# Altium PCB NUCLEOG431RB-Custom-IN-A2212.PcbDoc (part 3 of 5) (continued)
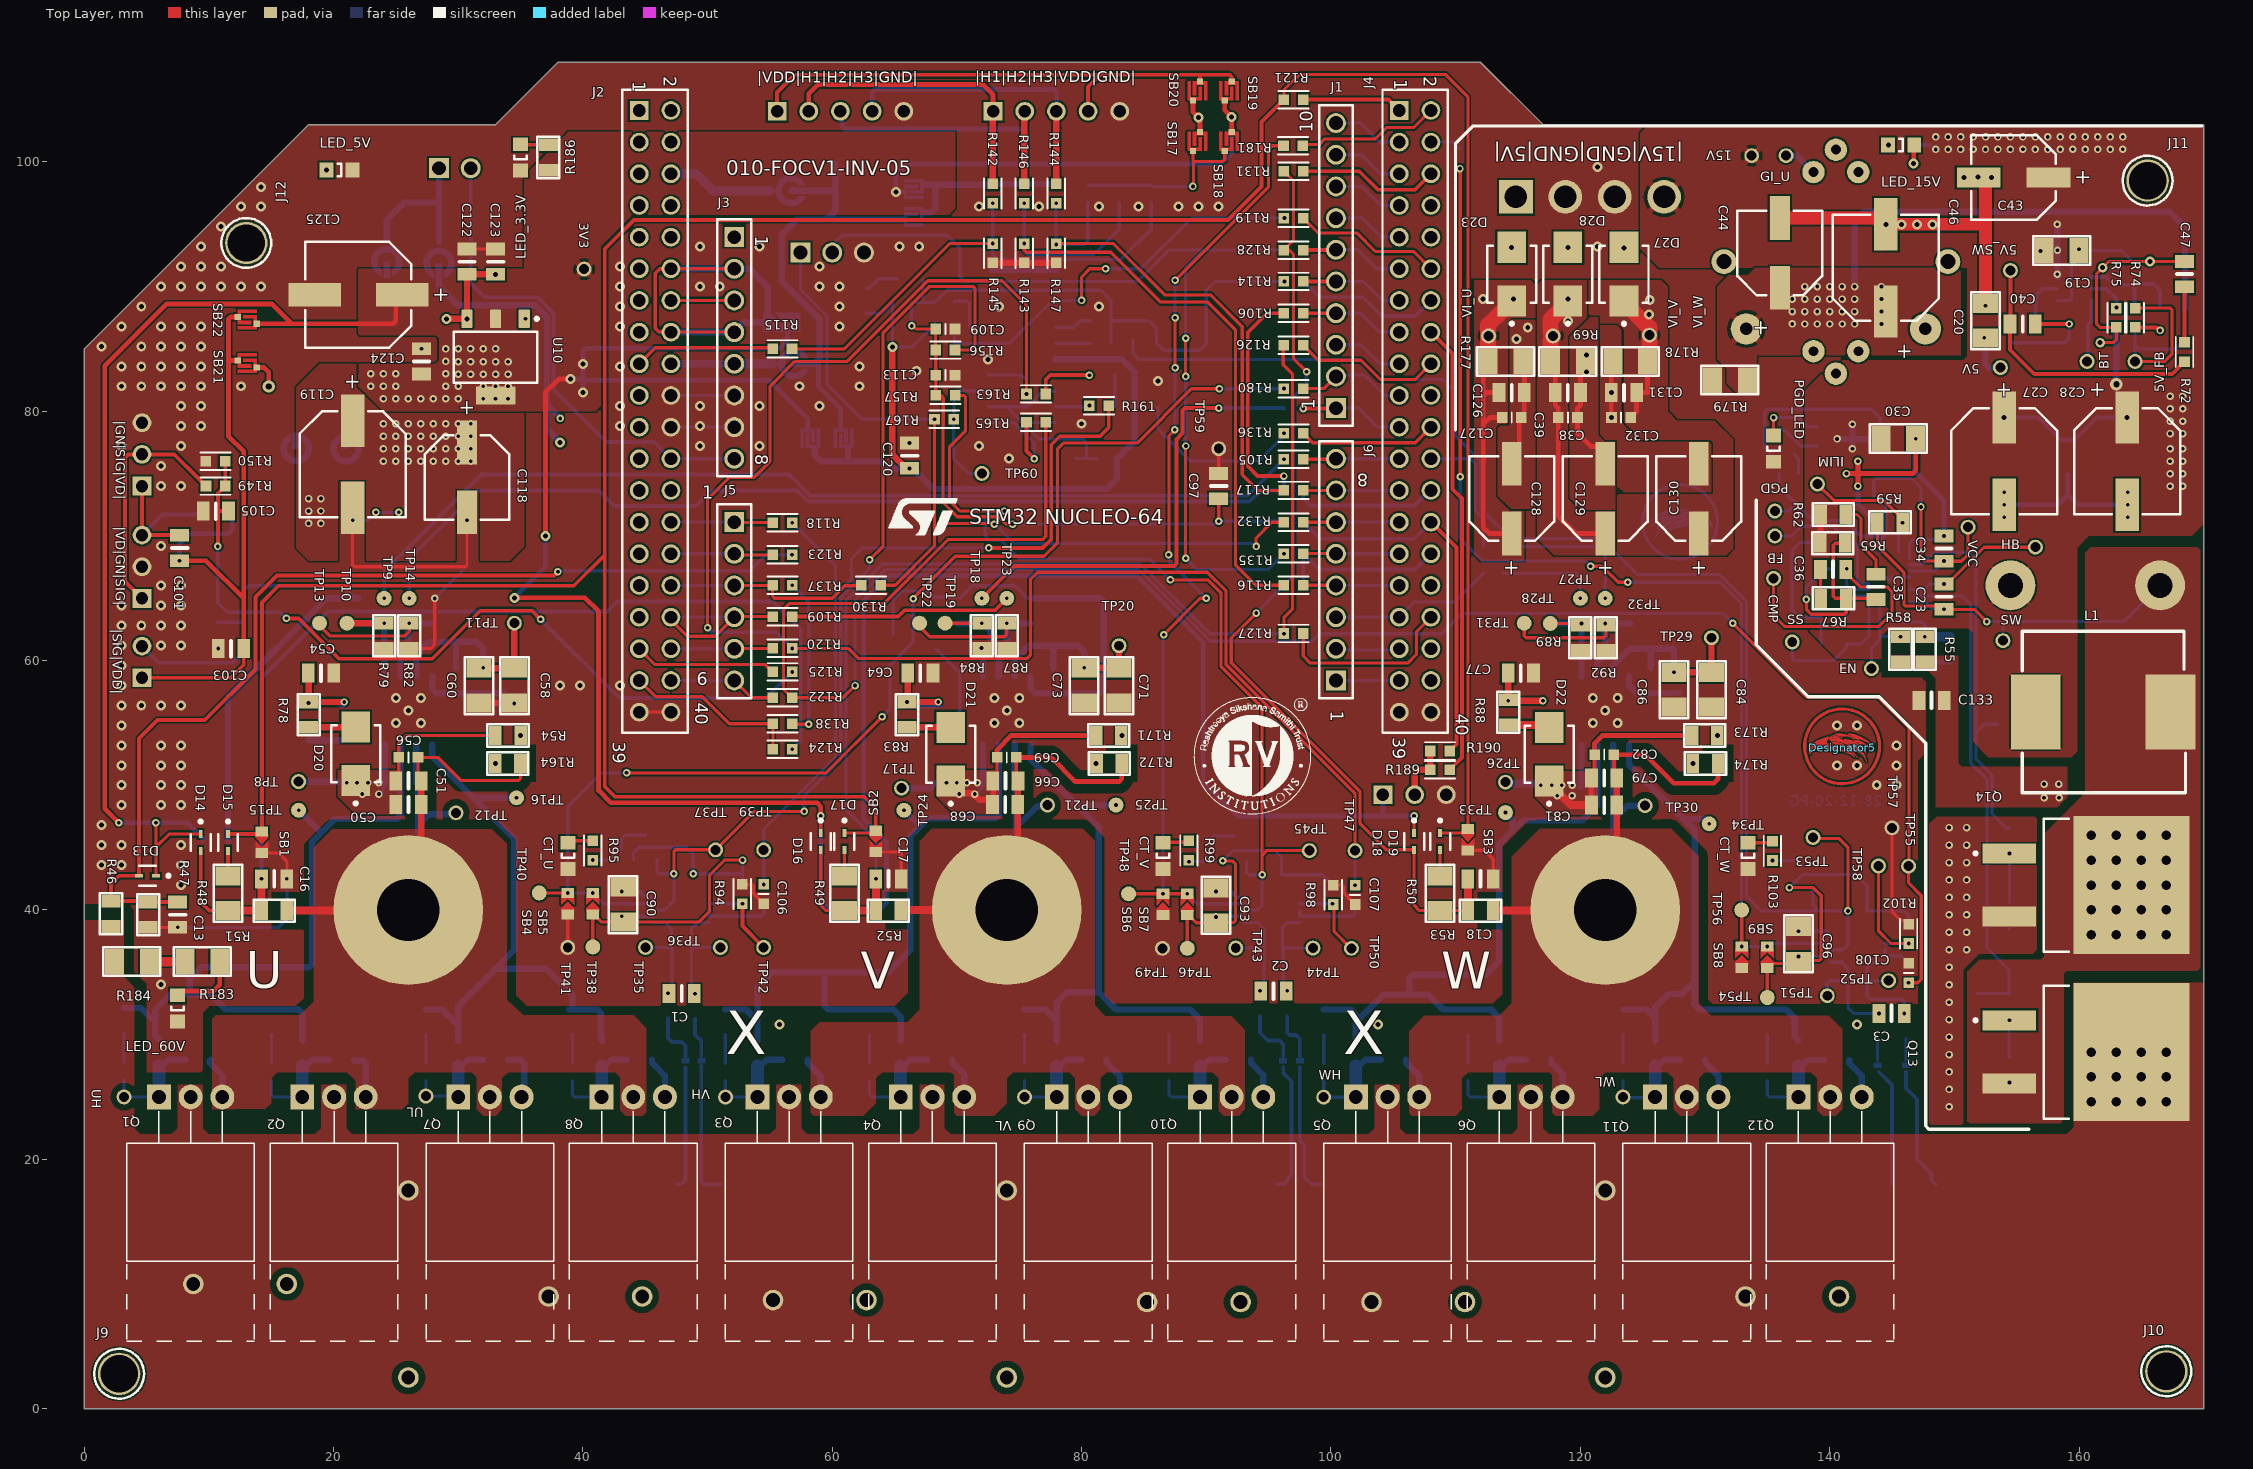
[diagram p0: Top Layer view]
## Nets (pads, with @x,y where several pads share a name; then routed paths per layer and width w, separated by ;. In a path a pad name is that pad's centre, name@x,y a point inside that pad or via, vN(x,y) a via of type N, cw(c..) or ccw(c..) an arc to the next point about the centre after c; other vN are vias at no path point) (continued)
  Top Layer w0.305: v1(72,65) 74.599,67.599 87.426,67.599 87.605,67.777 87.605,77.749 88.105,78.249 88.105,80.075 88.283,80.254 v1(91,80.254)
  Bottom Layer w0.305: v1(91,80.254) 96.19,80.254 R108.2@96.225,80.219
G_V_LO: R21.1 R22.1 R27.1 R28.1 TP25.1 U3.5 | length 45.8
  Bottom Layer w0.508: R21.1@75.412,32.016 77.084,32.016 78,31.1 ; U3.5@75.905,53.275 75.905,52.095 79.588,48.412 ; R27.1@78,29.524 78,31.1 ; v1(82.759,48.412) 79.588,48.412 ; R28.1@89.5,29.524 89.5,31.221 88.705,32.016 R22.1@87,32.016 82.759,32.016 81.375,33.4 ; 78,31.1 78,32.6 78.8,33.4 81.375,33.4 ; 79.588,48.412 81.375,46.625 81.375,33.4
G_V_LSig: R86.1 R109.2 TP23.1 | length 17.8
  Top Layer w0.305: R109.2@56.785,63.532 65.29,63.532 65.801,64.042 73.042,64.042 v1(74,65)
G_W_HO: R5.1 R6.1 R11.1 R12.1 TP33.1 U4.7 | length 54
  Bottom Layer w0.508: R5.1@99.42,32.016 101.568,32.016 102,31.584 102,31 ; R11.1@102,29.524 102,31 ; R12.1@113.5,29.524 113.5,31.354 112.838,32.016 R6.1@111,32.016 108.984,32.016 107.79,33.21 106.284,33.21 ; v1(114,47.812) 114.595,47.217 114.595,46.391 ; U4.7@121.365,53.275 121.365,48.395 120.143,47.173 115.378,47.173 114.595,46.391 ; 102,31 104.21,33.21 106.284,33.21 ; 106.284,33.21 106.284,34.505 106.582,34.802 112.402,34.802 113.5,35.9 113.5,45.296 114.595,46.391
G_W_HSig: R90.1 R110.2 TP27.1 | length 8.1
  Top Layer w0.254: v1(120.004,65) TP27.1@120.089,65
  Bottom Layer w0.254: R110.2@113.775,67 119.609,67 120.004,66.605 v1(120.004,65)
G_W_LO: R23.1 R24.1 R29.1 R30.1 TP34.1 U4.5 | length 45.3
  Bottom Layer w0.508: R23.1@123.42,32.016 125.317,32.016 126,31.333 ; U4.5@123.905,53.275 123.905,51.657 128.266,47.296 ; R29.1@126,29.524 126,31.333 ; v1(130.34,46.914) 129.959,47.296 128.266,47.296 ; R30.1@137.5,29.524 137.188,29.836 137.188,31.333 136.505,32.016 R24.1@135,32.016 129.544,32.016 129.171,32.389 129.171,34.299 ; 126,31.333 126,32.2 127.064,33.264 128.137,33.264 129.171,34.299 ; 128.266,47.296 129.171,46.391 129.171,34.299
G_W_LSig: R91.1 R111.2 TP32.1 | length 12.1
  Bottom Layer w0.254: R111.2@113.775,69.162 121.458,69.162 122,68.619 v1(122,65)
GND_ISO_U: C126.1 C127.1 C128.1 GI_U.1 R164.2 R177.2 T1.6 | length 41.7
  Top Layer w0.254: R164.2@32.962,51.754 v2(32.976,51.754)
  Top Layer w0.381: C128.1@114.5,75.8 115.095,76.395 115.095,79.32 115.509,79.734 115.509,79.958 115.509,81.493 C126.1@115.516,81.5 115.516,83.881 R177.2@115.397,84
  POWER2 w1.27: v2(115.785,86.713) 115.785,87.464 118.821,90.5 130.425,90.5 130.76,90.165 132.28,90.165 133.355,91.24 133.355,91.307 138.531,96.483 138.531,98.636 138.603,98.708 138.603,99.041 T1.6@138.531,99.112
  Bottom Layer w0.508: GI_U.1@136.5,100.5 137.388,100.5 T1.6@138.704,99.184
  other v2: 114.875,85.782
GND_ISO_V: C38.1 C39.1 C129.1 R69.2 R172.2 T1.1 | length 28.4
  Top Layer w0.254: v2(81.152,51.754) R172.2@81.195,51.754
  Top Layer w0.381: R69.2@120.397,84 120.016,83.619 C39.1@120.016,81.5 120.016,80.503 119.775,80.262 C38.1@119.775,79.5 119.775,78.258 120.852,77.181 121.39,77.181 122,76.571 C129.1@122,75.8
  POWER2 w1.27: 120.397,84 133.585,84 137.745,84 138.561,84.816 T1.1@138.704,84.816
  other v2: 120.483,83.17 120.5,84.5
GND_ISO_W: C130.1 C131.1 C132.1 R174.2 R178.1 T1.3 | length 28
  Top Layer w0.381: C132.1@122.5,79.5 122.492,79.508 122.492,81.492 v2(122.484,81.5) 122.484,83.881 R178.1@122.603,84
  POWER2 w1.27: v2(122.484,81.5) 122.984,81 141.552,81 142.296,81.744 T1.3@142.296,84.816
  other v2: 129.02,51.754 122.496,79.504
GPIO_BEMF: D15.1 D17.1 D19.1 R121.2 SB1.1 SB2.1 SB3.1 | length 260.5
  Top Layer w0.254: D17.1@60.976,46.175 63.315,46.175 SB2.1@63.497,46.357 ; R121.2@96.225,105 96.225,105.774 97.451,107 109.202,107 110.984,105.218 SB3.1@110.984,46.5 110.705,46.221 110.5,46.221 110.454,46.175 D19.1@108.75,46.175
  Top Layer w0.305: D15.1@11.536,46.092 14.059,46.092 SB1.1@14.25,46.282 14.25,63.023 14.25,64.654 15.596,66 39.266,66 41.752,68.486 ; SB2.1@63.497,46.357 63.497,48.158 62.568,49.087 42.577,49.087 41.752,49.913 41.752,68.486 ; R121.2@96.225,105 95.952,104.727 94.42,103.195 94.42,98.03 91.736,95.347 44.094,95.347 41.752,93.005 41.752,68.486
J2_1: J2.1
J2_2: J2.2
J2_3: J2.3
J2_4: J2.4
J2_5: J2.5
J2_6: J2.6 SB13.1 | length 8.5
  Bottom Layer w0.762: J2.6@47.06,99.05 49.07,99.05 50.42,97.7 SB13.1@55,97.7
J2_7: J2.7
J2_8: J2.8
J2_9: J2.9
J2_10: J2.10
J2_11: J2.11
J2_12: J2.12 J2.16 J3.2 J3.4 SB14.1 | length 36.7
  Top Layer w0.254: J3.4@52.14,86.35 46.119,86.35 45.804,86.666 45.804,91.084 46.15,91.43 J2.12@47.06,91.43 J3.2@52.14,91.43
  Bottom Layer w0.508: J2.16@47.06,86.35 J3.4@52.14,86.35 52.919,87.129 SB14.1@54.836,87.129 54.836,89.973 53.378,91.43 J3.2@52.14,91.43 J2.12@47.06,91.43
J2_13: J2.13
J2_14: J2.14 J3.3 | length 10.2
  Top Layer w0.254: J2.14@47.06,88.89 J3.3@52.14,88.89
  Bottom Layer w0.254: J2.14@47.06,88.89 J3.3@52.14,88.89
J2_15: J2.15
J2_17: J2.17 R115.1 | length 11.3
  Top Layer w0.254: J2.17@44.52,83.81 45.804,85.094 55.131,85.094 R115.1@55.225,85
J2_18: J2.18 J3.5 SB10.1 | length 8.2
  Bottom Layer w0.635: J2.18@47.06,83.81 J3.5@52.14,83.81
  Bottom Layer w0.762: J3.5@52.14,83.81 SB10.1@55.24,83.81
J2_19: J2.19
J2_21: J2.21
J2_23: J2.23
J2_24: J2.24 J3.8 J8.2 | length 39.8
  Bottom Layer w0.254: J2.24@47.06,76.19 J3.8@52.14,76.19
  Bottom Layer w0.305: J8.2@31,99.5 31,90.25 32.107,89.143 36.357,89.143 37.65,87.85 37.65,81.748 41.873,77.526 45.724,77.526 J2.24@47.06,76.19
J2_25: J2.25
J2_26: J2.26
J2_27: J2.27
J2_28: J2.28 J5.1 R118.1 | length 8.2
  Top Layer w0.254: J5.1@52.14,71.11 52.182,71.068 R118.1@55.235,71.068
  Bottom Layer w0.254: J2.28@47.06,71.11 J5.1@52.14,71.11
J2_29: J2.29
J2_30: J2.30 J5.2 R123.1 | length 8.2
  Top Layer w0.254: J5.2@52.14,68.57 52.237,68.473 55.183,68.473 R123.1@55.196,68.486
  Bottom Layer w0.254: J2.30@47.06,68.57 J5.2@52.14,68.57
J2_31: J2.31
J2_32: J2.32 J5.3 R130.1 R137.1 | length 16.7
  Top Layer w0.254: J5.3@52.14,66.03 55.213,66.03 55.213,65.149 55.361,65 60,65 61,66 62.298,66 R130.1@62.34,66.042
  Bottom Layer w0.254: J2.32@47.06,66.03 J5.3@52.14,66.03
J2_33: J2.33
J2_34: J2.34 J5.4 R109.1 | length 14.6
  Top Layer w0.254: J2.34@47.06,63.49 47.06,63.281 48.385,61.956 50.606,61.956 J5.4@52.14,63.49 ; J5.4@52.182,63.532 R109.1@55.196,63.532
  Bottom Layer w0.254: J2.34@47.06,63.49 J5.4@52.14,63.49
J2_35: J2.35 R125.1 | length 11.5
  Top Layer w0.254: J2.35@44.52,60.95 45.786,59.684 54.618,59.684 R125.1@55.209,59.093
J2_36: J2.36 J5.5 R120.1 | length 8.2
  Top Layer w0.254: J5.5@52.14,60.95 52.172,60.982 R120.1@55.235,60.982
  Bottom Layer w0.254: J2.36@47.06,60.95 J5.5@52.14,60.95
J2_37: J2.37 R124.1 R138.1 | length 14.2
  Top Layer w0.254: J2.37@44.52,58.41 45.83,57.1 49.582,57.1 51.747,54.935 R138.1@55.235,54.935 R124.1@55.235,52.89
J2_38: J2.38 J5.6 R122.1 | length 8.8
  Top Layer w0.254: J5.6@52.14,58.41 53.528,57.022 R122.1@55.235,57.022
  Bottom Layer w0.254: J2.38@47.06,58.41 J5.6@52.14,58.41
J4_1: J4.1 R121.1 | length 8
  Top Layer w0.305: R121.1@97.825,105 104.61,105 J4.1@105.48,104.13
J4_2: J4.2 R181.1 | length 11.5
  Top Layer w0.254: R181.1@97.742,101.297 97.833,101.388 99.055,101.388 99.514,101.847 103.577,101.847 104.498,102.768 106.658,102.768 J4.2@108.02,104.13
J4_3: J1.10 J4.3 | length 5.7
  Bottom Layer w0.254: J1.10@100.4,103.114 102.386,103.114 103.91,101.59 J4.3@105.48,101.59
J4_4: J4.4 R182.1 | length 2.6
  Bottom Layer w0.254: J4.4@108.02,101.59 109.774,101.59 R182.1@110.35,101.014
J4_5: J1.9 J4.5 | length 5.7
  Bottom Layer w0.254: J1.9@100.4,100.574 102.426,100.574 103.95,99.05 J4.5@105.48,99.05
J4_6: J4.6 R131.1 | length 11.3
  Top Layer w0.305: R131.1@97.825,99.254 102.276,99.254 103.768,97.762 106.732,97.762 J4.6@108.02,99.05
J4_7: J1.8 J4.7 | length 5.7
  Bottom Layer w0.254: J1.8@100.4,98.034 102.456,98.034 103.98,96.51 J4.7@105.48,96.51
J4_8: J4.8
J4_9: J1.7 J4.9 | length 5.7
  Bottom Layer w0.254: J1.7@100.4,95.494 102.506,95.494 104.03,93.97 J4.9@105.48,93.97
J4_10: J4.10
J4_11: J1.6 J4.11 R128.1 R133.1 | length 10.9
  Top Layer w0.305: R128.1@97.775,92.93 97.825,92.93 100.376,92.93 J1.6@100.4,92.954
  Bottom Layer w0.254: J1.6@100.4,92.954 102.135,92.954 103.659,91.43 J4.11@105.48,91.43
  Bottom Layer w0.305: R133.1@97.825,92.93 100.376,92.93 J1.6@100.4,92.954
J4_12: J4.12 R119.1 | length 11.9
  Top Layer w0.254: R119.1@97.775,95.494 98.965,94.304 102.078,94.304 103.563,92.819 106.631,92.819 J4.12@108.02,91.43
J4_13: J1.5 J4.13 R114.1 | length 8.3
  Top Layer w0.305: R114.1@97.825,90.414 J1.5@100.4,90.414
  Bottom Layer w0.254: J1.5@100.4,90.414 102.586,90.414 104.11,88.89 J4.13@105.48,88.89
J4_14: J4.14 R112.1 | length 11.9
  Bottom Layer w0.305: R112.1@97.825,90.414 99.086,89.153 102.547,89.153 104.069,87.631 106.761,87.631 J4.14@108.02,88.89
J4_15: J1.4 J4.15 R106.1 | length 8.3
  Top Layer w0.305: R106.1@97.775,87.859 100.385,87.859 J1.4@100.4,87.874
  Bottom Layer w0.254: J1.4@100.4,87.874 102.385,87.874 103.909,86.35 J4.15@105.48,86.35
J4_16: J4.16 R189.1 | length 36.5
  Top Layer w0.305: J4.16@108.02,86.35 109.745,84.625 109.745,73.75 110.5,72.995 110.5,52.225 R189.1@109.525,51.25
J4_17: J1.3 J4.17 | length 5.7
  Bottom Layer w0.254: J1.3@100.4,85.334 102.381,85.334 103.905,83.81 J4.17@105.48,83.81
J4_18: J4.18 R126.1 | length 11.9
  Top Layer w0.254: R126.1@97.775,85.304 98.991,84.088 102.412,84.088 103.951,82.549 106.763,82.549 108.02,83.805 J4.18@108.02,83.81
J4_19: J1.2 J4.19 R180.1 | length 8.8
  Top Layer w0.254: R180.1@97.775,81.821 99.427,81.821 J1.2@100.4,82.794
  Bottom Layer w0.254: J1.2@100.4,82.794 100.505,82.899 102.704,82.899 104.334,81.27 J4.19@105.48,81.27
J4_20: J4.20
J4_21: J1.1 J4.21 R108.1 | length 8.4
  Top Layer w0.305: v1(97.775,80.219) 100.365,80.219 J1.1@100.4,80.254
  Bottom Layer w0.254: J1.1@100.4,80.254 102.232,80.254 103.756,78.73 J4.21@105.48,78.73
J4_22: J4.22 R136.1 | length 11.1
  Top Layer w0.305: R136.1@97.775,78.244 98.545,77.473 106.763,77.473 J4.22@108.02,78.73
J4_23: J4.23 J6.8 R105.1 | length 7.7
  Top Layer w0.305: R105.1@97.825,76.158 100.368,76.158 J6.8@100.4,76.19
  Bottom Layer w0.305: J6.8@100.4,76.19 J4.23@105.48,76.19
J4_24: J4.24 R111.1 | length 10.7
  Bottom Layer w0.254: J4.24@108.02,76.19 111.235,76.19 111.585,75.841 111.585,72.041 112.225,71.4 R111.1@112.225,69.162
J4_25: J4.25 J6.7 R117.1 | length 7.7
  Top Layer w0.254: R117.1@97.775,73.65 J6.7@100.4,73.65
  Bottom Layer w0.254: J6.7@100.4,73.65 J4.25@105.48,73.65
J4_26: J4.26 R107.1 | length 11.8
  Bottom Layer w0.305: R107.1@97.909,73.516 R107.1@97.775,73.65 97.775,73 98.334,72.441 106.702,72.441 107.911,73.65 J4.26@108.02,73.65
J4_27: J4.27 J6.6 R132.1 | length 7.7
  Top Layer w0.254: R132.1@97.775,71.1 100.39,71.1 J6.6@100.4,71.11
  Bottom Layer w0.254: J6.6@100.4,71.11 J4.27@105.48,71.11
J4_28: J4.28 R113.1 R190.1 | length 30.8
  Top Layer w0.305: J4.28@108.02,71.11 110.068,69.062 110.068,53.293 R190.1@109.525,52.75
  Bottom Layer w0.305: R113.1@97.775,71.11 98.048,70.837 99.112,69.773 106.683,69.773 J4.28@108.02,71.11
J4_29: J4.29 J6.5 R135.1 | length 7.7
  Top Layer w0.254: R135.1@97.776,68.584 100.385,68.584 J6.5@100.4,68.57
  Bottom Layer w0.254: J6.5@100.4,68.57 J4.29@105.48,68.57
J4_30: J4.30 R129.1 R134.1 | length 13.8
  Bottom Layer w0.254: R129.1@97.775,66.043 R134.1@97.775,68.585
  Bottom Layer w0.305: R134.1@97.775,68.585 98.048,68.312 99.057,67.302 106.752,67.302 J4.30@108.02,68.57
J4_31: J4.31 J6.4 R116.1 | length 7.7
  Top Layer w0.254: R116.1@97.775,66.043 100.387,66.043 J6.4@100.4,66.03
  Bottom Layer w0.254: J6.4@100.4,66.03 J4.31@105.48,66.03
J4_32: J4.32
J4_33: J4.33 J6.3 R110.1 | length 13.3
  Bottom Layer w0.254: J6.3@100.4,63.49 J4.33@105.48,63.49 106.702,64.712 109.937,64.712 R110.1@112.225,67
J4_34: J4.34 R127.1 | length 14.9
  Top Layer w0.254: R127.1@97.775,62.175 97.775,60.367 98.339,59.803 106.164,59.803 106.858,60.498 106.858,62.328 J4.34@108.02,63.49
J4_35: J4.35 J6.2 | length 5.2
  Bottom Layer w0.254: J6.2@100.4,60.95 100.509,60.841 105.371,60.841 J4.35@105.48,60.95
J4_36: J4.36
J4_37: J4.37 J6.1 | length 5.1
  Bottom Layer w0.254: J6.1@100.4,58.41 J4.37@105.48,58.41
J4_38: J4.38
Net5V_FB_1: 5V_FB.1 R73.1 R74.1 R76.2 | length 17.9
  Top Layer w0.254: 5V_FB.1@164.5,84 166.862,84 167.471,84.609 167.471,88.126 167.322,88.275 R74.1@164.5,88.275
  Bottom Layer w0.254: 5V_FB.1@164.5,84 164.5,85.307 ; R76.2@164.5,86.725 164.5,85.307 ; R73.1@168.5,86.725 168.5,85.765 167.735,85 164.815,85 164.509,85.307 164.5,85.307
Net5V_SW_1: 5V_SW.1 C40.2 C41.2 R72.2 T1.7 U8.2 | length 27.2
  Top Layer w0.305: 5V_SW.1@154.497,91.293 154.497,87.029 C40.2@154.468,87 154.468,84.938 156.406,83 167.477,83 R72.2@168.461,83.984
  Bottom Layer w0.305: 154.497,89.868 5V_SW.1@154.497,91.293 ; C41.2@156.516,87 156.516,89.241 157.1,89.825 U8.2@158.263,89.825
NetBT_1: BT.1 R70.1 U8.6 | length 5
  Bottom Layer w0.305: BT.1@160.653,84 160.714,84.061 160.714,86.939 R70.1@160.775,87 161.012,87.237 U8.6@161.012,88.875
NetC23_1: C23.1 C25.1 HB.1 U1.17 | length 11.6
  Top Layer w0.254: C23.1@149.247,66.301 149.171,66.225 149.506,66.225 152.381,69.1 HB.1@156.5,69.1
  Bottom Layer w0.254: U1.17@146.405,65.695 147.563,65.695 148.013,66.144 v1(149.171,66.144)
NetC23_2: C23.2 C25.2 L1.1 L2.1 Q13.3 Q14.4 R57.1 R59.2 SW.1 U1.19 | length 35.7
  Top Layer w0.254: R59.2@143.826,71.088 143.826,69.203 145.955,67.074 145.955,64.523 146.104,64.374 148.909,64.374 v1(149.171,64.112) 151.621,64.112 v1(152.599,63.134)
  Bottom Layer w0.254: U1.19@146.405,64.695 147.684,64.695 148.213,64.166 149.144,64.166 149.171,64.139 v1(149.171,64.112) ; v1(152.599,63.134) 153.9,63.134 ; SW.1@153.9,61.6 153.9,63.134 ; R57.1@154.416,26.158 154.48,26.221 154.437,26.264 154.421,26.248 v1(154.421,26.162) ; Q14.4@164.223,45 164.223,45.344 Q14.4@164.798,45.919 ; L2.1@166.5,66.04 163.594,63.134 153.9,63.134
NetC24_2: C24.2 C134.2 R55.1 U1.20 | length 5.7
  Bottom Layer w0.254: U1.20@145.53,63.872 145.53,63.465 145.907,63.088 147.401,63.088 147.633,62.856 C24.2@147.633,61.934
  Bottom Layer w0.762: v1(147.633,61.924) C134.2@149.668,61.924
NetC26_1: C26.1 ILIM.1 R59.1 U1.11 | length 11.3
  Top Layer w0.254: ILIM.1@139.021,74.157 140.328,72.85 144.351,72.85 145.858,71.342 R59.1@145.858,71.088 ; R59.1@145.858,71.088 146.186,71.088 R59.1@145.858,71.088
  Bottom Layer w0.254: U1.11@145.53,68.67 C26.1@145.53,71.056
  other v1: 145.837,71.056
NetC32_1: C32.1 U1.3 | length 3.3
  Bottom Layer w0.254: C32.1@141.351,63.454 141.351,64.837 141.708,65.195 U1.3@143.155,65.195
NetC33_1: C33.1 C34.1 R61.1 U1.14 VCC.1 | length 20
  Top Layer w0.254: v1(147.326,72.326) 147.326,68.295 147.622,68 149.171,68 v1(149.175,68) ; C34.1@149.171,67.97 150.57,67.97 151.1,68.5 VCC.1@151.1,70.7
  Bottom Layer w0.254: R61.1@143.532,73.184 143.532,74.459 143.681,74.608 146.578,74.608 147.326,73.859 v1(147.326,72.326) ; U1.14@146.405,67.195 148.417,67.195 C33.1@148.917,67.695
NetC35_1: C35.1 R62.1 | length 6.3
  Top Layer w0.254: R62.1@141.295,71.718 142.191,71.718 142.512,71.396 142.512,69.288 143.709,68.091 C35.1@143.709,66.94
NetC35_2: C35.2 C37.2 FB.1 R65.1 R67.2 R68.2 U1.5 | length 33
  Top Layer w0.254: v1(138.122,64.908) 138.149,64.881 138.149,64.076 138.502,63.723 141.179,63.723 141.327,63.872 R67.2@141.327,65 ; R65.1@141.254,69.419 140.435,69.419 140.286,69.27 140.286,65.149 140.435,65 R67.2@141.327,65 ; C35.2@143.328,64.527 C35.2@143.709,64.908 143.617,65 R67.2@141.327,65
  Bottom Layer w0.254: FB.1@135.6,70 136.943,70 137.716,70.773 140.3,70.773 141.347,69.727 R68.2@141.347,69.473 ; v1(138.122,64.908) 138.122,65.897 139.331,67.106 C37.2@139.331,67.36 140.204,67.36 140.353,67.509 140.353,69.324 140.502,69.473 R68.2@141.347,69.473 ; U1.5@143.155,66.195 142.49,66.195 142.24,66.445 142.24,69.233 142,69.473 R68.2@141.347,69.473
NetC36_1: C36.1 C37.1 CMP.1 U1.4 | length 22.9
  Top Layer w0.254: CMP.1@135.5,66.6 135.5,63.628 136.388,62.74 142.448,62.74 143.943,62.74 145,63.797 145,65.53 144.611,65.919 142.449,65.919 141.676,66.692 141.295,67.073 C36.1@141.295,67.327
  Bottom Layer w0.254: v1(141.363,67.36) 141.363,66.04 141.708,65.695 U1.4@143.155,65.695
NetC36_2: C36.2 R67.1 | length 2.3
  Top Layer w0.254: C36.2@139.263,67.327 139.263,65.032 R67.1@139.295,65
NetC40_1: C40.1 C41.1 R70.2 | length 10.2
  Top Layer w0.305: C40.1@156.5,87 v1(159.225,87)
  Bottom Layer w0.305: C41.1@154.484,87 154.484,85.679 154.663,85.5 158.868,85.5 159.225,85.857 v1(159.225,87)
NetC47_1: C47.1 R72.1 | length 4.5
  Top Layer w0.305: R72.1@168.461,85.534 C47.1@168.461,89.984
NetC48_1: C48.1 R74.2 | length 2.1
  Top Layer w0.305: R74.2@164.5,86.725 166.22,86.725 166.461,86.484 v1(166.5,86.484)
NetC48_2: C48.2 R76.1 R77.2 U8.4 | length 9
  Bottom Layer w0.305: U8.4@161.012,90.775 162.209,90.775 162.829,90.155 164.453,90.155 164.453,88.322 R76.1@164.5,88.275 ; R77.2@164.5,90.225 164.523,90.202 166,90.202 166.5,89.702 C48.2@166.5,88.516
NetC49_1: C49.1 C50.1 C51.1 C56.1 D20.1 R54.1 TP8.1 U2.8 | length 23.7
  Top Layer w0.254: D20.1@21.069,49.97 21.476,50.377 D20.1@21.777,50.377 21.854,50.299 21.872,50.281 D20.1@21.872,50 ; D20.1@21.867,50.286 22.074,50.08 22.074,49.418 D20.1@22.301,49.191 ; D20.1@21.867,50.377 22.348,50.377 D20.1@22.755,49.97 ; C51.1@24.991,50.356 25.225,50.59 C56.1@25.225,52.238 25.225,53.359 25.866,54 R54.1@32.976,54
  Bottom Layer w0.254: C49.1@23.642,49.18 24,49.538 C49.1@24,50.029
  Bottom Layer w0.508: TP8.1@17.235,50.282 21.059,50.282 21.077,50.3 21.081,50.304 21.868,50.304 v1@21.872,50.309 ; C49.1@24,50.029 24.095,50.124 U2.8@24.095,53.275
  other v1: 22.301,49.3 23.642,49.3 21.069,50.2 21.872,50.2 22.755,50.2 23.63,50.2
NetC55_2: C55.2 R79.1 R80.2 TP10.1 U2.1 | length 9.3
  Top Layer w0.508: TP10.1@21.078,63 v1(24.06,63)
  Bottom Layer w0.508: C55.2@22,62.984 R80.2@24.06,62.984 ; v1(24.06,63) 24.06,59.21 24.095,59.175 U2.1@24.095,58.725
NetC57_1: C57.1 R81.2 R82.2 TP13.1 U2.2 | length 15.3
  Top Layer w0.254: TP13.1@18.875,63 18.875,62.812 19.703,61.984 25.711,61.984 26.068,62.341 v1(26.068,63)
  Bottom Layer w0.508: U2.2@25.365,58.725 25.365,60.865 26,61.5 R81.2@26,62.984 ; v1(26.068,63) 25.979,63 25.963,62.984 R81.2@26,62.984 ; C57.1@28.121,62.984 R81.2@26,62.984
NetC65_1: C65.1 C66.1 C68.1 C69.1 D21.1 R171.1 TP17.1 U3.8 | length 25.9
  Top Layer w0.254: D21.1@69.161,50.156 D21.1@69.315,50.156 ; D21.1@69.242,50.237 D21.1@69.355,50.35 ; D21.1@70.054,50.072 D21.1@70.054,50.14 ; C66.1@72.872,50.356 72.872,50.388 73.218,50.734 73.218,52.2 73.222,52.204 C69.1@73.222,52.238
  Top Layer w0.381: C69.1@73.222,52.238 73.222,52.854 74.368,54 R171.1@81.152,54
  Top Layer w0.508: D21.1@69.987,50.14 70.191,49.935 70.191,49.559 70.396,49.354 71.222,49.354 71.401,49.174 71.451,49.174 71.793,48.832 72.604,48.832 72.858,48.578 C68.1@72.858,48.458 ; D21.1@70.179,49.181 D21.1@70.179,49.354 ; C68.1@72.858,48.475 72.939,48.556 72.939,50.29 C66.1@72.872,50.356
  Bottom Layer w0.254: C65.1@71.426,49.174 71.968,49.716 C65.1@71.968,50 ; C65.1@71.595,49.941 71.707,50.053 71.707,50.101 C65.1@71.613,50.196
  Bottom Layer w0.508: TP17.1@65.558,49.767 67.845,49.767 68.234,50.156 v1@69.161,50.156 ; C65.1@71.968,50 72.095,50.127 U3.8@72.095,53.275
  other v1: 70.179,49.3 71.426,49.3 69.161,50.2 69.987,50.2 70.807,50.2 71.613,50.2
NetC67_2: C67.2 R84.1 R85.2 TP19.1 U3.1 | length 9.7
  Top Layer w0.254: TP19.1@69.054,63 v1(72,63)
  Bottom Layer w0.508: C67.2@70,62.984 R85.2@72,62.984 ; U3.1@72.095,58.725 72.095,60.096 72.706,60.707 72.706,62.373 R85.2@72.095,62.984
NetC70_1: C70.1 R86.2 R87.2 TP22.1 U3.2 | length 15
  Top Layer w0.254: TP22.1@67,63 67,62.744 67.302,62.442 67.302,62.423 67.809,61.916 73.851,61.916 74,62.065 v1(74,63)
  Bottom Layer w0.508: U3.2@73.365,58.725 73.365,60.315 74,60.95 R86.2@74,62.984 C70.1@75.905,62.984
NetC78_1: C78.1 C79.1 C81.1 C82.1 D22.1 R173.1 TP26.1 U4.8 | length 24.3
  Top Layer w0.254: D22.1@117.701,50.161 118.51,50.161 D22.1@118.516,50.155
  Top Layer w0.305: C79.1@120.9,50.59 121.146,50.836 C82.1@121.146,52.458
  Top Layer w0.381: C82.1@121.146,52.458 121.146,53.365 121.781,54 R173.1@128.958,54
  Top Layer w0.508: C81.1@120.9,48.659 C79.1@120.9,50.59
  Top Layer w0.635: D22.1@117.5,50.35 117.512,50.35 117.701,50.161 118.316,49.547 118.316,49.337 119.247,48.405 C81.1@120.9,48.405
  Bottom Layer w0.508: C78.1@120.011,49.89 120.095,49.974 U4.8@120.095,53.275
  Bottom Layer w0.635: TP26.1@114,50.25 114.109,50.141 v1@116.831,50.141
  other v1: 118.145,49.166 119.343,49.166 116.831,50 117.701,50 118.516,50 119.356,50
NetC80_2: C80.2 R89.1 R90.2 TP28.1 U4.1 | length 9
  Top Layer w0.254: TP28.1@117.228,62.913 TP28.1@117.409,62.732 ; TP28.1@117.59,62.984 119.871,62.984 R89.1@119.988,62.867 ; R89.1@120.004,62.851 120.004,62.883 v1(120.095,62.974)
  Bottom Layer w0.508: C80.2@118.197,62.974 v1(120.095,62.974) U4.1@120.095,58.725
NetC83_1: C83.1 R91.2 R92.2 TP31.1 U4.2 | length 15.2
  Top Layer w0.254: TP31.1@115.5,63 115.5,61.984 115.649,61.835 121.903,61.835 122.052,61.984 122.052,62.922 v1(122,62.974)
  Bottom Layer w0.508: U4.2@121.365,58.725 121.365,59.865 122,60.5 v1(122,62.974) C83.1@124,62.974
NetC101_1: C101.1 C102.1 C103.1 P2.1 SB21.2 SB22.2 | length 52.5
  Top Layer w0.254: P2.1@4.638,58.631 11.757,58.631 12.792,59.665 C103.1@12.792,60.966
  Top Layer w0.305: C101.1@7.295,67.66 v1(7.65,68.016)
  Top Layer w0.381: v1(7.65,68.016) 9.768,68.016 12.792,64.992 ; SB21.2@12.317,84.079 11.573,84.079 ; SB22.2@12.317,87.572 11.746,87.572 11.573,87.398 11.573,84.079 ; C103.1@12.792,60.966 12.792,64.992 ; 11.573,84.079 11.573,78 12.792,76.781 12.792,64.992
  Bottom Layer w0.381: v1(7.65,68.016) 7.65,69.359 8.465,70.174 11.553,70.174 11.871,70.492 C102.1@11.871,71.723
NetC101_2: C101.2 C102.2 P1.1 P3.3 | length 17.5
  Top Layer w0.305: P1.1@4.638,74.003 P3.3@4.638,70.072 7.626,70.072 C101.2@7.65,70.048
  Bottom Layer w0.305: P1.1@4.638,74.003 P3.3@4.638,70.072 6.289,71.723 C102.2@9.839,71.723 9.839,71.977 C102.2@9.483,72.332
NetC104_1: C104.1 P2.2 R148.2 R151.2 | length 13.5
  Bottom Layer w0.305: P2.2@4.638,61.171 5.987,59.822 11.902,59.822 12.792,60.712 C104.1@12.792,60.966 12.777,60.98 R148.2@12.777,63.08 R151.2@10.721,63.08
NetC110_2: C110.2 R161.2 U9.6 | length 3.1
  Top Layer w0.305: R161.2@80.509,80.326 R161.2@80.629,80.446 v1(80.629,80.468)
  Bottom Layer w0.254: U9.6@77.884,80.359 80.545,80.359 80.578,80.359 C110.2@80.625,80.406 ; v1(80.629,80.468) 80.564,80.468 C110.2@80.625,80.406 ; C110.2@80.666,80.406 C110.2@80.625,80.406
NetC111_1: C111.1 R163.2 U9.4 | length 7.5
  Top Layer w0.305: R163.2@77.13,81.388 77.13,82.542 77.487,82.899 v1(80.625,82.899)
  Bottom Layer w0.254: U9.4@77.884,82.899 v1(80.625,82.899)
NetC112_1: C112.1 R165.2 U9.8 | length 8.8
  Top Layer w0.305: R165.2@75.58,79.113 75.58,76.82 v1(76.2,76.2)
  Bottom Layer w0.254: U9.8@72.484,79.089 74.562,79.089 76.2,77.451 v1(76.2,76.2)
NetC114_1: C114.1 R167.2 TP60.1 U9.10 | length 10.8
  Bottom Layer w0.254: TP60.1@72,75.016 70.899,75.016 69.725,76.19 69.725,79.331 v1(69.755,79.361) 69.755,81.373 C114.1@70.03,81.649 72.464,81.649 U9.10@72.484,81.629
NetCT_U_2: CT_U.2 R95.1 | length 2.1
  Top Layer w0.254: CT_U.2@38.789,45.425 38.914,45.55 R95.1@40.788,45.55
NetCT_V_2: CT_V.2 R99.1 | length 2.1
  Top Layer w0.254: CT_V.2@86.525,45.392 86.56,45.427 R99.1@88.61,45.427
NetCT_W_2: CT_W.2 R103.1 | length 2
  Top Layer w0.254: CT_W.2@133.453,45.392 135.288,45.392 R103.1@135.413,45.517
NetD1_1: D1.1 R1.2 | length 2.3
  Bottom Layer w0.254: D1.1@3.192,27.792 R1.2@3.192,30.101
NetD1_2: D1.2 Q1.1 R7.2 R13.2 UH.1 | length 9.1
  Bottom Layer w0.254: D1.2@3.192,26.442 3.192,25.018 UH.1@3.2,25.009 5.991,25.009 Q1.1@6,25
  Bottom Layer w0.508: R7.2@5.989,27.492 6.243,27.492 6.751,28 R13.2@8.121,28
  Bottom Layer w1.016: R7.2@5.989,27.492 6,27.492 Q1.1@6,25
NetD2_1: D2.1 R2.2 | length 2.3
  Bottom Layer w0.254: D2.1@15.025,27.675 R2.2@15.025,29.984
NetD2_2: D2.2 Q2.1 R8.2 R14.2 | length 8.5
  Bottom Layer w0.254: D2.2@15.025,26.325 15.025,25.179 15.204,25 Q2.1@17.5,25
  Bottom Layer w0.508: R8.2@17.525,27.492 17.779,27.492 18.287,28 R14.2@19.609,28
  Bottom Layer w1.016: Q2.1@17.5,25 17.5,27.492 R8.2@17.525,27.492
NetD3_1: D3.1 R3.2 | length 2.3
  Bottom Layer w0.254: D3.1@51.42,27.675 R3.2@51.42,29.978
  Bottom Layer w0.305: R3.2@51.414,29.984 R3.2@51.42,29.978
NetD3_2: D3.2 Q3.1 R9.2 R15.2 VH.1 | length 8.4
  Bottom Layer w0.254: D3.2@51.42,26.325 51.42,25.012 VH.1@51.44,24.992 ; VH.1@51.599,24.992 53.992,24.992 Q3.1@54,25
  Bottom Layer w0.508: R9.2@54,27.492 54.254,27.492 54.762,28 R15.2@55.984,28
  Bottom Layer w1.016: Q3.1@54,25 R9.2@54,27.492
NetD4_1: D4.1 R4.2 | length 2.3
  Bottom Layer w0.254: D4.1@63,27.675 R4.2@63,29.984
NetD4_2: D4.2 Q4.1 R10.2 R16.2 | length 8.6
  Bottom Layer w0.254: D4.2@63,26.325 63,25.179 63.179,25 Q4.1@65.5,25
  Bottom Layer w0.508: R10.2@65.5,27.492 65.754,27.492 66.262,28 R16.2@67.615,28
  Bottom Layer w1.016: Q4.1@65.5,25 65.478,25.022 65.478,27.492 R10.2@65.5,27.492
NetD5_1: D5.1 R5.2 | length 2.3
  Bottom Layer w0.254: D5.1@99.42,27.675 R5.2@99.42,29.984
NetD5_2: D5.2 Q5.1 R11.2 R17.2 WH.1 | length 8.7
  Bottom Layer w0.254: WH.1@99.419,24.983 99.599,24.983 101.983,24.983 Q5.1@102,25 ; D5.2@99.42,26.325 99.419,25.179 WH.1@99.599,25
  Bottom Layer w0.508: R11.2@102,27.492 102.254,27.492 102.762,28 R17.2@103.984,28
  Bottom Layer w1.016: Q5.1@102,25 101.983,25.017 101.983,27.492 R11.2@102,27.492
NetD6_1: D6.1 R6.2 | length 2.3
  Bottom Layer w0.254: D6.1@111,27.675 R6.2@111,29.984
NetD6_2: D6.2 Q6.1 R12.2 R18.2 | length 8.5
  Bottom Layer w0.254: D6.2@111,26.325 111,25.179 111.179,25 Q6.1@113.5,25
  Bottom Layer w0.508: R12.2@113.5,27.492 113.754,27.492 114.262,28 R18.2@115.621,28
  Bottom Layer w1.016: Q6.1@113.5,25 R12.2@113.5,27.492
NetD7_1: D7.1 R19.2 | length 2.3
  Bottom Layer w0.254: D7.1@27.42,27.675 R19.2@27.42,29.984
NetD7_2: D7.2 Q7.1 R25.2 R31.2 UL.1 | length 8.6
  Bottom Layer w0.254: D7.2@27.42,26.325 27.404,26.309 UL.1@27.404,25.073 29.927,25.073 Q7.1@30,25
  Bottom Layer w0.508: R25.2@30,27.492 30.254,27.492 30.762,28 R31.2@31.984,28
  Bottom Layer w1.016: Q7.1@30,25 R25.2@30,27.492
NetD8_1: D8.1 R20.2 | length 2.3
  Bottom Layer w0.254: D8.1@39.17,27.675 R20.2@39.17,29.984
NetD8_2: D8.2 Q8.1 R26.2 R32.2 | length 8.3
  Bottom Layer w0.254: D8.2@39.17,26.325 39.17,25.179 39.349,25 Q8.1@41.5,25
  Bottom Layer w0.508: R26.2@41.5,27.492 41.754,27.492 42.262,28 R32.2@43.514,28
  Bottom Layer w1.016: Q8.1@41.5,25 R26.2@41.5,27.492
NetD9_1: D9.1 R21.2 | length 2.3
  Bottom Layer w0.254: D9.1@75.42,27.675 R21.2@75.42,29.976
  Bottom Layer w0.305: R21.2@75.412,29.984 R21.2@75.42,29.976
NetD9_2: D9.2 Q9.1 R27.2 R33.2 VL.1 | length 8.4
  Bottom Layer w0.254: D9.2@75.42,26.325 75.433,26.312 VL.1@75.433,25.003 ; VL.1@75.599,25.009 Q9.1@77.991,25.009
  Bottom Layer w0.508: R27.2@78,27.492 78.254,27.492 78.762,28 R33.2@79.984,28
  Bottom Layer w1.016: Q9.1@78,25 77.991,25.009 77.991,27.492 R27.2@78,27.492
NetD10_1: D10.1 R22.2 | length 2.3
  Bottom Layer w0.254: D10.1@87,27.675 R22.2@87,29.984
NetD10_2: D10.2 Q10.1 R28.2 R34.2 | length 8.5
  Bottom Layer w0.254: D10.2@87,26.325 87,25.179 87.179,25 Q10.1@89.5,25
  Bottom Layer w0.508: R28.2@89.5,27.492 89.754,27.492 90.262,28 R34.2@91.553,28
  Bottom Layer w1.016: Q10.1@89.5,25 R28.2@89.5,27.492
NetD11_1: D11.1 R23.2 | length 2.3
  Bottom Layer w0.254: D11.1@123.42,27.675 R23.2@123.42,29.984
NetD11_2: D11.2 Q11.1 R29.2 R35.2 WL.1 | length 8.6
  Bottom Layer w0.254: WL.1@123.417,25 123.417,26.322 D11.2@123.42,26.325 ; WL.1@123.418,24.936 125.936,24.936 Q11.1@126,25
  Bottom Layer w0.508: R29.2@126,27.492 126.254,27.492 126.762,28 R35.2@127.984,28
  Bottom Layer w1.016: Q11.1@126,25 R29.2@126,27.492
NetD12_1: D12.1 R24.2 | length 2.3
  Bottom Layer w0.254: D12.1@135,27.675 R24.2@135,29.984
NetD12_2: D12.2 Q12.1 R30.2 R36.2 | length 8.4
  Bottom Layer w0.254: D12.2@135,26.325 135,25.179 135.179,25 Q12.1@137.5,25
  Bottom Layer w0.508: R30.2@137.5,27.492 137.754,27.492 138.229,27.968 R36.2@139.527,27.968
  Bottom Layer w1.016: Q12.1@137.5,25 R30.2@137.5,27.492
NetD15_2: D15.2 R48.2 | length 2
  Top Layer w0.305: R48.2@11.536,42.744 D15.2@11.536,44.742
NetD17_2: D17.2 R49.2 | length 2.1
  Top Layer w0.254: R49.2@60.976,42.744 D17.2@60.976,44.825
NetD19_2: D19.2 R50.2 | length 2.1
  Top Layer w0.254: R50.2@108.75,42.744 D19.2@108.75,44.825